# KiCad board bd845-pwb.kicad_pcb (continued)
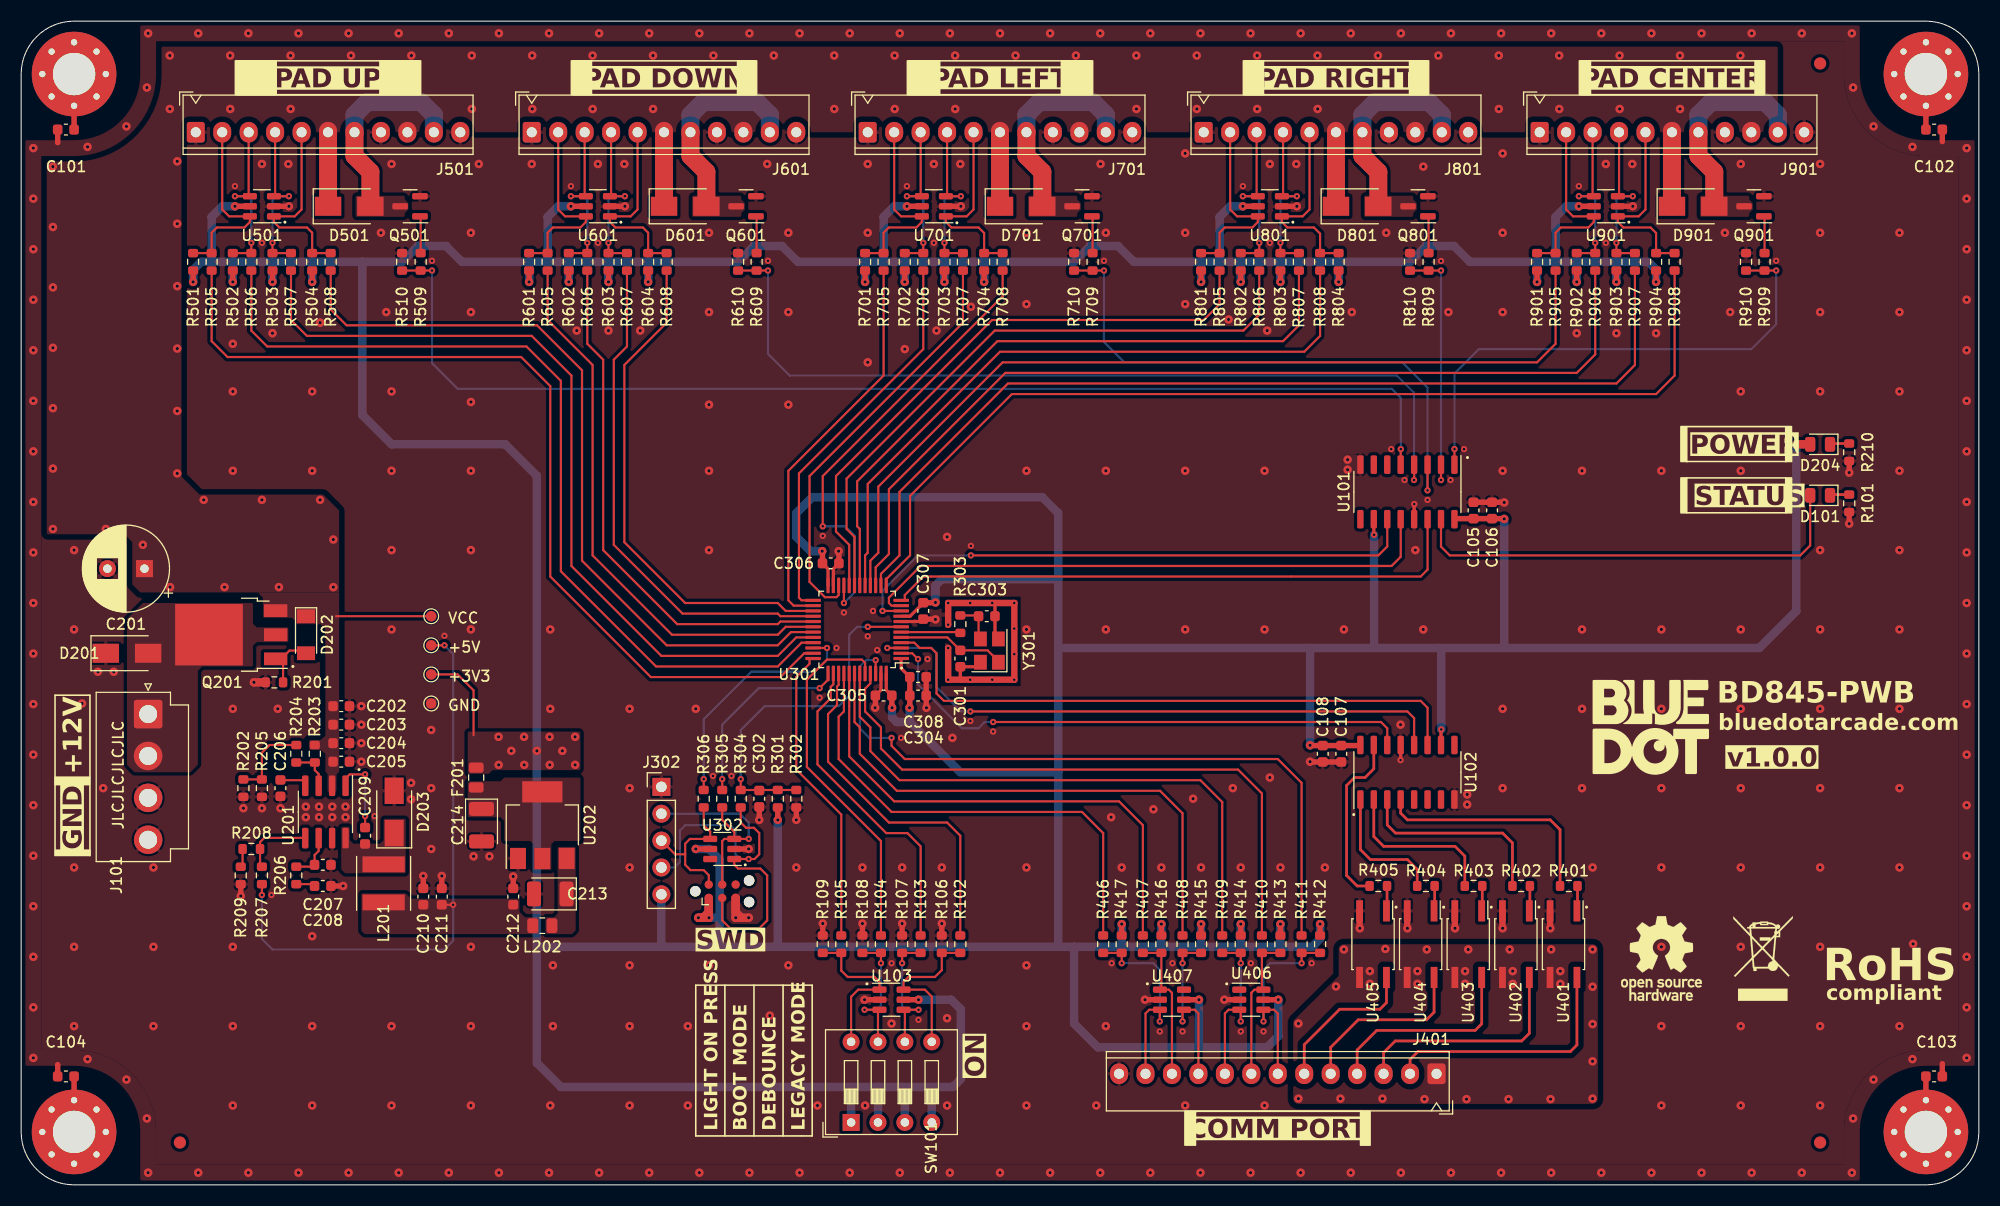
[diagram p0: board, top side]
## Routing (per net, layer and track width the routed paths; a pad name or vN(x,y) marks a point on that pad's centre or on a via; arc(x,y) is an arc through that point) (continued)
/Pad Channel 1/CH_S4_CONN: length 18.4
  F.Cu (Sig-Pwr-Gnd) w0.203: J501.5 26.5,92.2 25.85,91.55 U501.1 23.89,91.01 24.4,90.5 27,90.5 27.5,90 R504.2 R508.2
/Pad Channel 2/CH_LIGHT_CONN: length 19.4
  F.Cu (Sig-Pwr-Gnd) w1.7: J601.7 63.25,97.25 64.75,95.75 D601.2
  B.Cu  (Sig-Pwr-Gnd) w1.7: J601.10 70.75,101.15 69.55,102.35 64.45,102.35 63.25,101.15 J601.7
/Pad Channel 2/CH_S1_CONN: length 18.4
  F.Cu (Sig-Pwr-Gnd) w0.203: J601.2 50.75,92.2 51.4,91.55 U601.6 53.36,91.01 52.85,90.5 50.25,90.5 49.75,90 R605.2 R601.2
/Pad Channel 2/CH_S2_CONN: length 16
  F.Cu (Sig-Pwr-Gnd) w0.203: J601.3 53.25,93.56 U601.4 v2(51.95,93.45) ; v2(53.5,89.05) R606.2 R602.2
  B.Cu  (Sig-Pwr-Gnd) w0.203: v2(53.5,89.05) 53.5,93.1 53.15,93.45 v2(51.95,93.45)
/Pad Channel 2/CH_S3_CONN: length 16
  F.Cu (Sig-Pwr-Gnd) w0.203: J601.4 55.75,93.56 U601.3 v2(57.05,93.45) ; R607.2 R603.2 v2(55.5,89.05)
  B.Cu  (Sig-Pwr-Gnd) w0.203: v2(57.05,93.45) 55.85,93.45 55.5,93.1 v2(55.5,89.05)
/Pad Channel 2/CH_S4_CONN: length 18.4
  F.Cu (Sig-Pwr-Gnd) w0.203: R608.2 R604.2 59.25,90 58.75,90.5 56.15,90.5 55.64,91.01 U601.1 57.6,91.55 58.25,92.2 J601.5
/Pad Channel 3/CH_LIGHT_CONN: length 19.4
  F.Cu (Sig-Pwr-Gnd) w1.7: D701.2 96.5,95.75 95,97.25 J701.7
  B.Cu  (Sig-Pwr-Gnd) w1.7: J701.10 102.5,101.15 101.3,102.35 96.2,102.35 95,101.15 J701.7
/Pad Channel 3/CH_S1_CONN: length 18.4
  F.Cu (Sig-Pwr-Gnd) w0.203: R701.2 R705.2 81.5,90 82,90.5 84.6,90.5 85.11,91.01 U701.6 83.15,91.55 82.5,92.2 J701.2
/Pad Channel 3/CH_S2_CONN: length 16
  F.Cu (Sig-Pwr-Gnd) w0.203: v2(85.25,89.05) R706.2 R702.2 ; v2(83.7,93.45) U701.4 85,93.56 J701.3
  B.Cu  (Sig-Pwr-Gnd) w0.203: v2(83.7,93.45) 84.9,93.45 85.25,93.1 v2(85.25,89.05)
/Pad Channel 3/CH_S3_CONN: length 16
  F.Cu (Sig-Pwr-Gnd) w0.203: v2(88.8,93.45) U701.3 87.5,93.56 J701.4 ; v2(87.25,89.05) R703.2 R707.2
  B.Cu  (Sig-Pwr-Gnd) w0.203: v2(88.8,93.45) 87.6,93.45 87.25,93.1 v2(87.25,89.05)
/Pad Channel 3/CH_S4_CONN: length 18.4
  F.Cu (Sig-Pwr-Gnd) w0.203: R708.2 R704.2 91,89.97 90.47,90.5 87.9,90.5 87.39,91.01 U701.1 89.35,91.55 90,92.2 J701.5
/Pad Channel 4/CH_LIGHT_CONN: length 19.4
  F.Cu (Sig-Pwr-Gnd) w1.7: J801.7 126.75,97.25 128.25,95.75 D801.2
  B.Cu  (Sig-Pwr-Gnd) w1.7: J801.10 134.25,101.15 133.05,102.35 127.95,102.35 126.75,101.15 J801.7
/Pad Channel 4/CH_S1_CONN: length 18.4
  F.Cu (Sig-Pwr-Gnd) w0.203: R801.2 R805.2 113.25,90 113.75,90.5 116.35,90.5 116.86,91.01 U801.6 114.9,91.55 114.25,92.2 J801.2
/Pad Channel 4/CH_S2_CONN: length 16
  F.Cu (Sig-Pwr-Gnd) w0.203: R802.2 R806.2 v2(117,89.05) ; v2(115.45,93.45) U801.4 116.75,93.56 J801.3
  B.Cu  (Sig-Pwr-Gnd) w0.203: v2(115.45,93.45) 116.65,93.45 117,93.1 v2(117,89.05)
/Pad Channel 4/CH_S3_CONN: length 16
  F.Cu (Sig-Pwr-Gnd) w0.203: J801.4 119.25,93.56 U801.3 v2(120.55,93.45) ; v2(119,89.05) R803.2 R807.2
  B.Cu  (Sig-Pwr-Gnd) w0.203: v2(119,89.05) 119,93.1 119.35,93.45 v2(120.55,93.45)
/Pad Channel 4/CH_S4_CONN: length 18.4
  F.Cu (Sig-Pwr-Gnd) w0.203: R804.2 R808.2 122.75,89.91 122.16,90.5 119.65,90.5 119.14,91.01 U801.1 121.1,91.55 121.75,92.2 J801.5
/Pad Channel 5/CH_LIGHT_CONN: length 19.4
  F.Cu (Sig-Pwr-Gnd) w1.7: J901.7 158.5,97.25 160,95.75 D901.2
  B.Cu  (Sig-Pwr-Gnd) w1.7: J901.10 166,101.15 164.8,102.35 159.7,102.35 158.5,101.15 J901.7
/Pad Channel 5/CH_S1_CONN: length 18.4
  F.Cu (Sig-Pwr-Gnd) w0.203: J901.2 146,92.2 146.65,91.55 U901.6 148.61,91.01 148.1,90.5 145.5,90.5 145,90 R905.2 R901.2
/Pad Channel 5/CH_S2_CONN: length 16
  F.Cu (Sig-Pwr-Gnd) w0.203: v2(148.75,89.05) R906.2 R902.2 ; v2(147.2,93.45) U901.4 148.5,93.56 J901.3
  B.Cu  (Sig-Pwr-Gnd) w0.203: v2(147.2,93.45) 148.4,93.45 148.75,93.1 v2(148.75,89.05)
/Pad Channel 5/CH_S3_CONN: length 16
  F.Cu (Sig-Pwr-Gnd) w0.203: v2(152.3,93.45) U901.3 151,93.56 J901.4 ; R907.2 R903.2 v2(150.75,89.05)
  B.Cu  (Sig-Pwr-Gnd) w0.203: v2(150.75,89.05) 150.75,93.1 151.1,93.45 v2(152.3,93.45)
/Pad Channel 5/CH_S4_CONN: length 18.4
  F.Cu (Sig-Pwr-Gnd) w0.203: R908.2 R904.2 154.5,89.97 153.97,90.5 151.4,90.5 150.89,91.01 U901.1 152.85,91.55 153.5,92.2 J901.5
/PADS_RCLK: length 58.3
  F.Cu (Sig-Pwr-Gnd) w0.203: U301.3 v2(81.85,50.75) ; v2(89.7,44.75) 131,44.75 131.63,44.11 U102.12
  B.Cu  (Sig-Pwr-Gnd) w0.203: v2(89.7,44.75) 88.8,44.75 86.5,47.05 86.5,50.25 86,50.75 v2(81.85,50.75)
/PADS_SER: length 52.4
  F.Cu (Sig-Pwr-Gnd) w0.203: U102.14 129.09,43.16 128.5,43.75 v2(91.85,43.75) ; U301.2 84.2,50.25 v2(84.75,49.7)
  B.Cu  (Sig-Pwr-Gnd) w0.203: v2(84.75,49.7) 84.75,47.3 88.9,43.15 90.45,43.15 91.05,43.75 v2(91.85,43.75)
/PADS_SRCLK: length 58
  F.Cu (Sig-Pwr-Gnd) w0.203: U301.4 84.4,51.25 84.9,50.75 86,50.75 86.5,50.25 86.5,46.45 87.2,45.75 132.25,45.75 132.91,45.09 U102.11
/Power/BUCK_BOOT: length 7.5
  F.Cu (Sig-Pwr-Gnd) w0.203: v2(32.5,38.8) 31.05,38.8 30.66,38.41 U201.1 ; 32.5,34.03 v2(32.5,34.85)
  B.Cu  (Sig-Pwr-Gnd) w0.203: v2(32.5,34.85) v2(32.5,38.8)
/Power/BUCK_CP: length 4.5
  F.Cu (Sig-Pwr-Gnd) w0.203: R206.1 27.55,30.08 C207.1 27.72,31.17 28.11,31.56 U201.6
/Power/BUCK_EN: length 4.1
  F.Cu (Sig-Pwr-Gnd) w0.203: U201.3 28.11,38.83 27.75,39.2 R203.2 R204.1
/Power/BUCK_SS: length 2.2
  F.Cu (Sig-Pwr-Gnd) w0.203: C206.1 24.53,38.25 26.65,38.25
/Power/BUCK_VSENSE: length 6.8
  F.Cu (Sig-Pwr-Gnd) w0.203: R207.2 22.58,30.25 R208.1 22.58,32.4 22.97,32.8 26.82,32.8 U201.5
/Power/POWER_LED_K: length 1.8
  F.Cu (Sig-Pwr-Gnd) w0.254: R210.2 171.01,70.08 D204.1
/STATUS_LED_A: length 43
  F.Cu (Sig-Pwr-Gnd) w0.203: U101.15 134.18,60.33 135,59.5 168.12,59.5 169.06,60.44 D101.2
/STATUS_LED_K: length 1.8
  F.Cu (Sig-Pwr-Gnd) w0.254: D101.1 171.01,65.25 R101.1
Net-(C101-Pad2): length 2.2
  F.Cu (Sig-Pwr-Gnd) w0.508: C101.2 H101.1
Net-(C102-Pad2): length 5.2
  F.Cu (Sig-Pwr-Gnd) w0.508: C102.2 H102.1
Net-(C103-Pad2): length 2.2
  F.Cu (Sig-Pwr-Gnd) w0.508: C103.2 H103.1
Net-(C104-Pad2): length 2.2
  F.Cu (Sig-Pwr-Gnd) w0.508: C104.2 H104.1
Net-(C208-Pad1): length 1.8
  F.Cu (Sig-Pwr-Gnd) w0.203: C208.1 27.55,28.42 R206.2
Net-(C303-Pad1): length 3.6
  F.Cu (Sig-Pwr-Gnd) w0.203: 90.5,51.92 90.47,51.95 C303.1 90.4,53.83 R303.2
Net-(D202-A): length 5.1
  F.Cu (Sig-Pwr-Gnd) w0.203: Q201.1 24.57,49.72 25.35,50.5 26.45,50.5 26.7,50.25 D202.2 ; R201.1 24.75,49.3
Net-(Q501-G): length 3.5
  F.Cu (Sig-Pwr-Gnd) w0.203: R509.1 37.75,91.49 Q501.1
Net-(Q601-G): length 3.5
  F.Cu (Sig-Pwr-Gnd) w0.203: R609.1 69.5,91.49 Q601.1
Net-(Q701-G): length 3.5
  F.Cu (Sig-Pwr-Gnd) w0.203: R709.1 101.25,91.49 Q701.1
Net-(Q801-G): length 3.5
  F.Cu (Sig-Pwr-Gnd) w0.203: Q801.1 133,91.49 R809.1
Net-(Q901-G): length 3.5
  F.Cu (Sig-Pwr-Gnd) w0.203: Q901.1 164.75,91.49 R909.1
Net-(R202-Pad1): length 7.8
  F.Cu (Sig-Pwr-Gnd) w0.203: R202.1 R205.1 22.75,40.85 23.47,41.58 R204.2
Net-(R208-Pad2): length 1.7
  F.Cu (Sig-Pwr-Gnd) w0.203: R208.2 20.92,30.25 R209.1
Net-(R401-Pad2): length 2.4
  F.Cu (Sig-Pwr-Gnd) w0.254: U401.1 147.07,25.95 R401.2
Net-(R402-Pad2): length 2.4
  F.Cu (Sig-Pwr-Gnd) w0.254: R402.2 142.57,25.95 U402.1
Net-(R403-Pad2): length 2.4
  F.Cu (Sig-Pwr-Gnd) w0.254: U403.1 138.07,25.95 R403.2
Net-(R404-Pad2): length 2.4
  F.Cu (Sig-Pwr-Gnd) w0.254: U404.1 133.57,25.95 R404.2
Net-(R405-Pad2): length 2.4
  F.Cu (Sig-Pwr-Gnd) w0.254: U405.1 129.07,25.95 R405.2

## Copper pours and planes (outline as drawn; the poured copper is in the pictures)
+3V3 on F.Cu (Sig-Pwr-Gnd): 42.2,38.85 44.2,38.85 44.55,39.2 52.85,39.2 52.85,42.85 42.2,42.85
+3V3 on B.Cu  (Sig-Pwr-Gnd): 44.5,43 44.5,39 53,39 53,43
/Power/+5V on F.Cu (Sig-Pwr-Gnd): 32.15,27.55 36.35,27.55 36.85,27.05 47.1,27.05 47.1,25.8 47.6,25.3 48.95,25.3 48.95,23.7 32.45,23.7 32.15,24
GND on F.Cu (Sig-Pwr-Gnd): 135.1,37.35 137.1,37.35 137.1,35.5 135.1,35.5
GND on F.Cu (Sig-Pwr-Gnd): 126.9,67.15 124.9,67.15 124.9,69 126.9,69
GND on F.Cu (Sig-Pwr-Gnd), B.Cu  (Sig-Pwr-Gnd): 173.75,105 173.75,104.75 173.79,104.27 173.87,103.78 173.98,103.3 174.13,102.84 174.32,102.38 174.54,101.94 174.8,101.53 175.09,101.13 175.41,100.76 175.76,100.41 176.13,100.09 176.53,99.8 176.94,99.54 177.38,99.32 177.84,99.13 178.3,98.98 178.78,98.87 179.27,98.79 179.75,98.75 180,98.75 185,98.75 185,11.25 180,11.25 179.75,11.25 179.27,11.21 178.78,11.13 178.3,11.02 177.84,10.87 177.38,10.68 176.94,10.46 176.53,10.2 176.13,9.91 175.76,9.59 175.41,9.24 175.09,8.87 174.8,8.47 174.54,8.06 174.32,7.62 174.13,7.16 173.98,6.7 173.87,6.22 173.79,5.73 173.75,5.25 173.75,5 173.75,0 11.25,0 11.25,5 11.25,5.25 11.21,5.73 11.13,6.22 11.02,6.7 10.87,7.16 10.68,7.62 10.46,8.06 10.2,8.47 9.91,8.87 9.59,9.24 9.24,9.59 8.87,9.91 8.47,10.2 8.06,10.46 7.62,10.68 7.16,10.87 6.7,11.02 6.22,11.13 5.73,11.21 5.25,11.25 5,11.25 0,11.25 0,98.75 5,98.75 5.25,98.75 5.73,98.79 6.22,98.87 6.7,98.98 7.16,99.13 7.62,99.32 8.06,99.54 8.47,99.8 8.87,100.09 9.24,100.41 9.59,100.76 9.91,101.13 10.2,101.53 10.46,101.94 10.68,102.38 10.87,102.84 11.02,103.3 11.13,103.78 11.21,104.27 11.25,104.75 11.25,105 11.25,110 173.75,110 ; 1 cut-out
GND on F.Cu (Sig-Pwr-Gnd), B.Cu  (Sig-Pwr-Gnd): -2,112 187,112 187,-2 -2,-2
GND on In1.Cu (Gnd), In2.Cu  (Gnd): 0,110 0,0 185,0 185,110
GND1 on F.Cu (Sig-Pwr-Gnd), B.Cu  (Sig-Pwr-Gnd), In1.Cu (Gnd), In2.Cu  (Gnd): 149,22.75 149,7.65 120.2,7.65 120.2,15.5 124.5,19.75 124.5,22.75
VCC on F.Cu (Sig-Pwr-Gnd): 30.05,39.05 29.8,38.8 29.8,37.15 28.95,37.15 28.95,38.85 28.75,39.05 28.75,40.75 28.3,41.1 27.2,41.1 27.2,42.05 28.3,42.05 28.75,42.45 28.75,52.55 28.3,53 25.95,53 25.95,53.25 25.6,53.6 22.85,53.6 22.85,55.5 22.35,56 30.05,56
VCC on F.Cu (Sig-Pwr-Gnd), B.Cu  (Sig-Pwr-Gnd): 166,99.5 15.15,99.5 15.15,66.95 16.85,65.25 28.55,65.25 30.05,63.75 30.05,56 11.25,56 10.5,56.75 10.5,60.75 9.75,61.5 -1,61.5 -1,111 166,111
/Pad Channel 1/CH_LIGHT_CONN on F.Cu (Sig-Pwr-Gnd): 31.6,93.5 36.25,93.5 36.25,93.15 36.6,92.8 36.6,92.2 36.25,91.85 36.25,91.5 31.6,91.5
/Pad Channel 2/CH_LIGHT_CONN on F.Cu (Sig-Pwr-Gnd): 63.4,93.5 68.05,93.5 68.05,93.15 68.4,92.8 68.4,92.2 68.05,91.85 68.05,91.5 63.4,91.5
/Pad Channel 3/CH_LIGHT_CONN on F.Cu (Sig-Pwr-Gnd): 95.15,93.5 99.8,93.5 99.8,93.15 100.15,92.8 100.15,92.2 99.8,91.85 99.8,91.5 95.15,91.5
/Pad Channel 4/CH_LIGHT_CONN on F.Cu (Sig-Pwr-Gnd): 126.9,93.5 131.55,93.5 131.55,93.15 131.9,92.8 131.9,92.2 131.55,91.85 131.55,91.5 126.9,91.5
/Pad Channel 5/CH_LIGHT_CONN on F.Cu (Sig-Pwr-Gnd): 158.65,93.5 163.3,93.5 163.3,93.15 163.65,92.8 163.65,92.2 163.3,91.85 163.3,91.5 158.65,91.5
/Power/BUCK_PH on F.Cu (Sig-Pwr-Gnd): 30.25,33.85 30.25,29.8 30.6,29.45 36.35,29.45 36.35,34.6 34.25,34.6 34.25,32.6 33.9,32.25 31.4,32.25 31.05,32.6 31.05,33.85
/Power/EXT_VCC on F.Cu (Sig-Pwr-Gnd): 21.9,53.05 22.25,52.7 25.25,52.7 25.25,51.3 22.25,51.3 21.9,50.95 21.9,49 17.1,49 16.7,48.6 16.7,39.7 16,39 10.7,39 10,39.7 10,53.5 11.5,55 21.9,55
/Power/LDO_VI on F.Cu (Sig-Pwr-Gnd): 49.55,25.3 49.55,23.7 52.05,23.7 52.4,24.05 52.4,26.2 50.7,26.2 50.7,25.65 50.35,25.3
/Power/LDO_VI on F.Cu (Sig-Pwr-Gnd): 50.7,31.95 52.4,31.95 52.4,26.2 50.7,26.2
/Power/LDO_VO on F.Cu (Sig-Pwr-Gnd): 52.85,32.5 50.4,32.5 50.1,32.2 50.1,29.75 48.4,29.75 48.4,32.2 48.1,32.5 45.65,32.5 45.65,34.4 45.3,34.75 42.2,34.75 42.2,38.15 45.3,38.15 45.65,38.5 52.85,38.5

## Text on the board
B.Silkscreen: compliant | bluedotarcade.com | v1.0.0 | BD845-PWB | RoHS
F.Silkscreen: VCC | +5V | +3V3 | GND | JLCJLCJLCJLC | LIGHT ON PRESS | BOOT MODE | DEBOUNCE | LEGACY MODE | compliant | bluedotarcade.com | SWD | POWER | STATUS | v1.0.0 | PAD UP | PAD DOWN | PAD LEFT | COMM PORT | PAD RIGHT | PAD CENTER | ON | +12V | BD845-PWB | RoHS
